# Altium PCB Misko 3 1.0.PcbDoc (part 4 of 4) (continued)
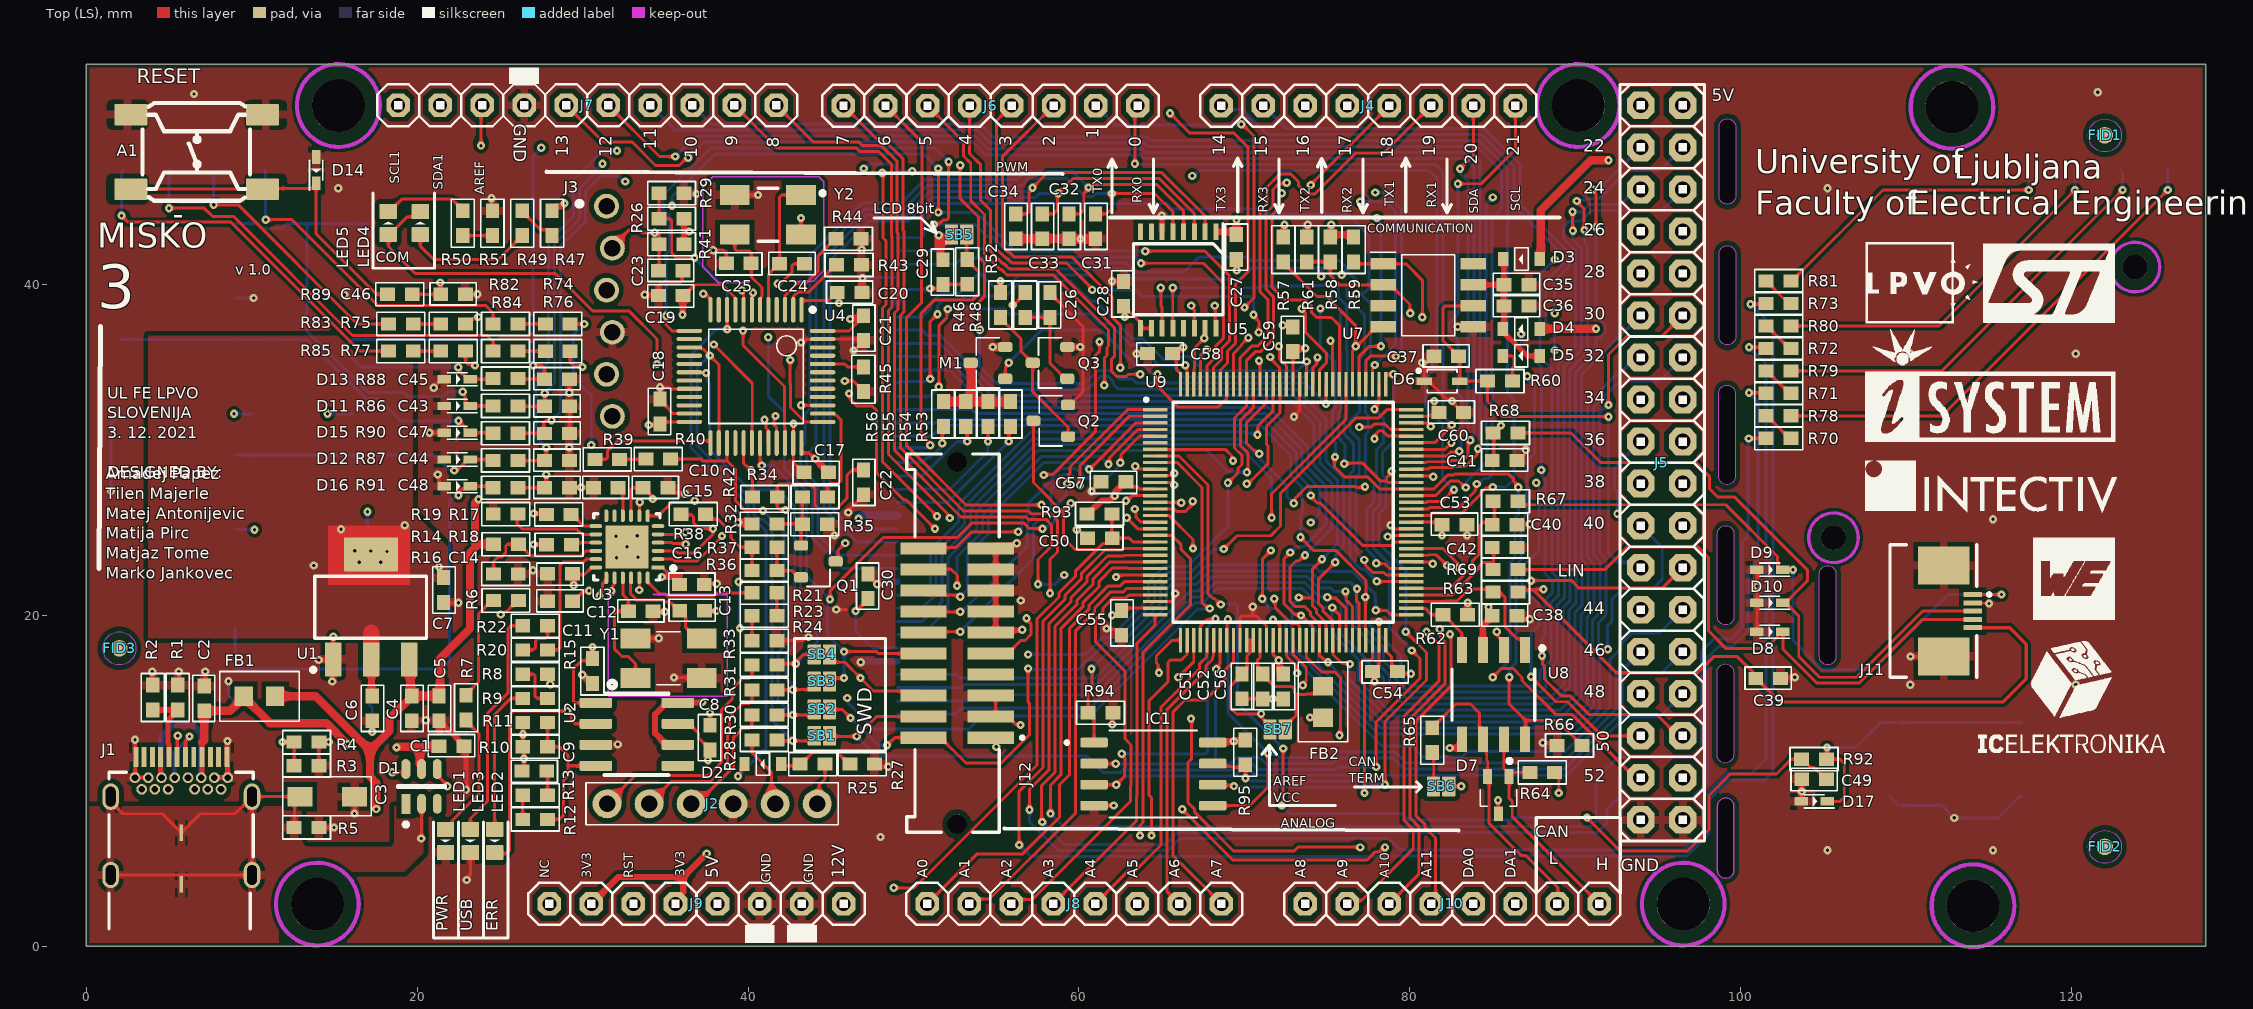
[diagram p0: Top (LS) view]
## Nets (pads, with @x,y where several pads share a name; then routed paths per layer and width w, separated by ;. In a path a pad name is that pad's centre, name@x,y a point inside that pad or via, vN(x,y) a via of type N, cw(c..) or ccw(c..) an arc to the next point about the centre after c; other vN are vias at no path point) (continued)
TRACE.TR1: J12.16 U9.3 | length 20.6
  Top (LS) w0.18: J12.16@50.6,21.49 50.88,21.21 52.628,21.21 52.731,21.107 v1(52.818,21.107) ; v1(60.611,28.826) 60.649,28.826 63.446,31.623 U9.3@64.598,31.623
  Bottom (HS) w0.18: v1(52.818,21.107) 53.268,21.557 53.268,23.644 54.524,24.9 54.524,25.882 57.333,28.691 57.864,29.222 60.215,29.222 v1(60.611,28.826)
TRACE.TR2: J12.18 U9.4 | length 20.9
  Top (LS) w0.18: J12.18@50.6,22.76 50.618,22.778 52.268,22.778 52.653,22.392 52.653,21.803 v1(52.632,21.782) ; v1(61.789,29.115) 61.85,29.176 61.85,29.518 63.555,31.223 U9.4@64.598,31.223
  Bottom (HS) w0.18: v1(52.632,21.782) 52.632,23.517 54.164,25.049 54.164,26.031 57.715,29.582 61.321,29.582 v1(61.789,29.115)
TRACE.TR3: J12.20 U9.5 | length 18.4
  Top (LS) w0.18: J12.20@50.6,24.03 50.647,24.077 52.535,24.077 53.499,25.042 v1(56.334,25.042) ; v1(62.49,29.212) 62.551,29.273 62.551,29.71 63.664,30.823 U9.5@64.598,30.823
  Bottom (HS) w0.18: v1(56.334,25.042) 56.334,25.128 56.54,25.335 56.54,25.752 56.935,26.147 56.935,26.766 58.413,28.244 58.413,28.351 58.923,28.862 59.811,28.862 60.273,28.401 60.279,28.401 60.393,28.286 61.724,28.286 62.329,28.891 62.329,28.964 62.49,29.125 v1(62.49,29.212)
UART4_RX: J4.5 U9.101 | length 19
  Top (LS) w0.18: U9.101@76.936,33.961 76.936,35.647 77.538,36.25 v1(78.25,36.25)
  Mid 1 (LS) w0.18: J4.5@76.211,50.8 76.211,48.872 78.45,46.633 78.45,44.45 v1(78,44)
  Bottom (HS) w0.18: v1(78,44) 78,43.913 78.25,43.663 v1(78.25,36.25)
UART4_TX: J4.6 U9.100 | length 21.4
  Top (LS) w0.18: U9.100@77.336,33.961 77.336,35.374 77.615,35.654 77.648,35.654 77.655,35.66 78.102,35.66 78.108,35.654 79.143,35.654 v1(79.162,35.634)
  Mid 1 (LS) w0.18: J4.6@73.671,50.8 73.671,49.846 77.91,45.607 v1(77.91,45.55)
  Bottom (HS) w0.18: v1(77.91,45.55) 78.473,45.55 79.487,44.535 79.487,36.044 79.162,35.719 v1(79.162,35.634)
USART1_RX: J6.1 U9.91 | length 40.8
  Top (LS) w0.18: v1(63.379,47.286) 63.379,50.633 J6.1@63.546,50.8 ; U9.91@80.074,30.423 81.503,30.423 82.522,31.442 v1(82.522,31.496)
  Bottom (HS) w0.18: v1(63.379,47.286) 63.426,47.24 81.529,47.24 81.997,46.771 81.997,35.319 82.01,35.306 82.01,32.039 82.522,31.527 v1(82.522,31.496)
USART1_TX: J6.2 U9.107 | length 29.9
  Top (LS) w0.18: v1(69.809,49.675) 69.86,49.675 70.577,48.958 70.577,39.172 v1(70,38.595) ; v1(73.469,38.515) 73.469,38.428 73.69,38.207 73.69,37.105 74.959,35.836 74.959,35.252 74.546,34.838 74.546,33.971 U9.107@74.536,33.961
  Mid 1 (LS) w0.18: v1(70,38.595) 70.061,38.657 70.281,38.657 70.326,38.702 73.195,38.702 73.382,38.515 v1(73.469,38.515)
  Bottom (HS) w0.18: J6.2@61.006,50.8 62.18,49.626 69.761,49.626 v1(69.809,49.675)
USART2_RX: J4.3 U9.119 | length 26.3
  Top (LS) w0.18: U9.119@69.736,33.961 69.736,35.556 70.463,36.283 70.826,36.283 71.409,36.867 71.409,39.072 70.937,39.545 70.937,44.455 71.36,44.878 71.36,45.873 72.159,46.672 72.785,46.672 73.281,46.176 73.281,45.956 73.776,45.46 74.248,45.46 76.706,47.919 78.41,47.919 J4.3@81.291,50.8
USART3_RX: U4.12 U9.123 | length 55.6
  Top (LS) w0.18: v1(37.297,39.43) 37.358,39.369 37.451,39.369 37.731,39.088 U4.12@37.731,38.457 ; v1(51.5,44.343) v1(51.5,47) ; v1(64,42) 67.612,42 69.1,40.512 69.1,36.59 68.616,36.106 68.616,35.449 68.136,34.969 U9.123@68.136,33.961
  Mid 1 (LS) w0.18: v1(35.406,44.748) 35.345,44.686 35.168,44.686 33.815,43.334 33.815,42.886 37.271,39.43 v1(37.297,39.43)
  Bottom (HS) w0.18: v1(35.406,44.748) 35.406,45.282 37.989,47.865 50.635,47.865 v1(51.5,47) ; v1(51.5,44.343) 53.794,44.343 56.138,42 v1(64,42)
USART3_TX: U4.13 U9.124 | length 58.3
  Top (LS) w0.18: v1(35.045,38.093) 35.045,37.548 35.411,37.182 U4.13@36.456,37.182 ; v1(51.238,43.613) 51.3,43.675 51.578,43.675 51.707,43.803 51.793,43.89 51.81,43.89 52.015,43.89 52.12,43.995 v1(52.12,47.4) ; v1(63.75,41.27) 67.519,41.27 68.74,40.049 68.74,36.739 68.256,36.255 68.256,35.598 67.736,35.078 U9.124@67.736,33.961
  Bottom (HS) w0.18: v1(35.045,38.093) 35.045,41.863 35.255,42.073 35.255,44.135 34.866,44.524 34.866,45.367 37.739,48.24 51.28,48.24 v1(52.12,47.4) ; v1(51.238,43.613) 53.713,43.613 54.436,42.89 54.739,42.89 55.989,41.64 63.38,41.64 v1(63.75,41.27)
USART5_RX: J4.7 R59.2 U7.1 U9.112 | length 55.8
  Top (LS) w0.18: v1(72.075,36.26) 72.104,36.232 72.104,35.486 72.536,35.054 U9.112@72.536,33.961 ; R59.2@76.597,41.347 76.709,41.234 U7.1@78.379,41.234 79.766,41.234 80.75,40.25 v1(80.75,38)
  Mid 1 (LS) w0.18: v1(72.075,36.26) 72.945,37.13 76.791,37.13 76.991,37.33 80.75,37.33 ; v1(80.75,38) 80.75,37.48 80.75,37.33 ; v1(88.75,38.25) 86.96,36.46 86.117,36.46 85.693,36.884 82.674,36.884 82.418,37.14 80.94,37.14 80.75,37.33
  Bottom (HS) w0.18: J4.7@71.131,50.8 72.531,49.4 84.496,49.4 86.65,47.246 86.65,44.873 89.65,41.873 89.65,41.127 88.75,40.227 v1(88.75,38.25)
USART5_TX: J4.8 R57.2 U7.4 U9.102 | length 56.6
  Top (LS) w0.18: R57.2@72.347,41.347 72.347,41.297 74.385,39.259 74.958,39.259 76.719,37.497 76.719,36.281 v1@76.75,36.25 ; U9.102@76.536,33.961 76.536,35.98 76.719,36.163 v1(76.719,36.25) v1@76.75,36.25 ; U7.4@78.379,37.424 77.954,37.424 76.78,36.25 v1@76.75,36.25
  Mid 1 (LS) w0.18: v1(76.719,36.25) 77.259,36.79 82.273,36.79 82.529,36.534 85.548,36.534 86.082,36 v1(88.75,36)
  Bottom (HS) w0.18: J4.8@68.591,50.8 68.831,50.56 69.894,50.56 71.414,49.04 84.346,49.04 86.29,47.097 86.29,44.724 89.29,41.724 89.29,41.276 88.21,40.196 88.21,37.706 88.75,37.165 v1(88.75,36)
USB2_N: U3.4 U9.92 | length 50.1
  Top (LS) w0.18: U3.4@34.557,24.382 34.568,24.394 34.871,24.394 34.876,24.399 35.38,24.399 35.454,24.326 36.209,24.326 v1(36.24,24.296) ; v1(77.863,30.668) 77.801,30.729 77.801,30.815 78.134,31.148 78.336,31.148 78.66,30.823 U9.92@80.074,30.823
  Mid 3 (P/HS) w0.18: v1(36.24,24.296) 36.301,24.357 36.465,24.357 36.505,24.397 37.31,24.397 38.918,22.79 57.274,22.79 58.044,23.56 64.296,23.56 66.042,25.306 69.403,25.306 74.804,30.707 77.824,30.707 v1(77.863,30.668)
USB2_P: U3.5 U9.93 | length 49.7
  Top (LS) w0.18: U3.5@34.557,24.882 34.568,24.871 34.871,24.871 34.876,24.866 35.574,24.866 35.647,24.792 35.961,24.792 v1@36.051,24.882 ; v1(76.933,31.368) 77.67,31.368 77.85,31.548 78.501,31.548 78.826,31.223 U9.93@80.074,31.223
  Mid 3 (P/HS) w0.18: v1(36.195,25.019) 36.256,24.958 36.42,24.958 36.46,24.917 37.526,24.917 39.133,23.31 57.059,23.31 57.828,24.08 64.081,24.08 65.827,25.826 69.187,25.826 74.588,31.227 76.705,31.227 76.846,31.368 v1(76.933,31.368)
USB_N: D1.6 J1.A7 J1.B7 U3.19 | length 39.1
  Top (LS) w0.18: v1(18.5,10.5) 19.154,10.5 19.319,10.664 D1.6@19.319,10.703 ; v1(31.02,21.18) 31.02,21.266 31.21,21.457 31.21,21.915 31.39,22.095 31.39,22.178 31.431,22.219 U3.19@31.431,22.257
  Top (LS) w0.22: J1.A7@6.002,11.454 6.002,12.36 6.238,12.596 v1(6.238,12.672)
  Mid 3 (P/HS) w0.18: J1.B7@5.336,10.188 5.336,10.293 5.51,10.467 5.51,10.974 5.974,11.438 13.195,11.438 14.5,10.133 18.622,10.133 ; v1(18.5,10.5) 18.561,10.439 18.561,10.194 18.622,10.133 ; v1(31.02,21.18) 30.992,21.152 30.992,20.832 28.898,18.739 21.193,11.034 21.193,10.168 21.159,10.133 18.622,10.133
  Bottom (HS) w0.22: J1.B7@5.336,10.188 5.336,11.723 6.238,12.625 v1(6.238,12.672)
USB_P: D1.4 J1.A6 J1.B6 U3.20 | length 39.3
  Top (LS) w0.18: D1.4@21.219,10.703 21.219,10.317 21.819,9.717 v1(21.819,9.664) ; v1@31.844,21.565 31.844,21.578 31.811,21.611 31.811,21.751 31.931,21.871 U3.20@31.931,22.257
  Top (LS) w0.22: J1.A6@5.5,11.43 5.502,11.432 5.502,12.65 5.487,12.666 v1(5.54,12.719)
  Mid 1 (LS) w0.16: v1(5.54,12.719) 5.54,10.846 6.136,10.25 J1.B6@6.136,10.188
  Mid 3 (P/HS) w0.18: J1.B6@6.136,10.188 6.136,10.321 5.99,10.467 5.99,10.775 6.173,10.958 12.996,10.958 14.301,9.653 18.622,9.653 21.368,9.653 ; v1(21.819,9.664) 21.808,9.653 21.368,9.653 ; v1(31.75,21.463) 31.689,21.402 31.689,21.233 31.653,21.198 31.653,20.717 31.549,20.613 31.549,20.601 29.129,18.182 21.681,10.734 21.681,9.966 21.368,9.653
USB_RENUM_5: R34.2 U4.38 | length 6.6
  Top (LS) w0.18: U4.38@44.506,32.182 45.175,32.182 45.26,32.097 45.328,32.097 45.61,31.816 45.61,28.126 45.44,27.956 44.941,27.956 44.798,27.812 R34.2@44.798,27.142
USB_STLINK_N: U3.2 U4.32 | length 14.2
  Top (LS) w0.18: U3.2@34.557,23.382 34.567,23.392 35.452,23.392 35.569,23.276 36.944,23.276 38.427,24.758 v1(38.427,24.786) ; v1(40.995,31.817) 41.056,31.755 41.056,31.573 41.078,31.551 41.078,31.318 41.218,31.178 41.218,30.421 U4.32@41.231,30.407
  Mid 3 (P/HS) w0.18: v1@38.434,24.793 38.434,29.256 v1(40.995,31.817)
USB_STLINK_P: R38.1 U3.3 U4.33 | length 17.2
  Top (LS) w0.18: U3.3@34.557,23.882 34.567,23.872 35.651,23.872 35.768,23.756 36.746,23.756 37.876,24.886 v1(37.877,25.226) v1(37.877,25.226) 37.06,25.226 36.699,25.588 36.699,25.943 36.566,26.076 35.97,26.076 R38.1@35.939,26.108 ; v1(41.66,32.037) 41.598,31.976 41.598,31.812 41.558,31.771 41.558,31.517 41.718,31.357 41.718,31.069 U4.33@41.731,31.055
  Mid 3 (P/HS) w0.18: v1(37.877,25.226) 37.877,29.487 40.764,32.374 41.261,32.374 41.598,32.037 v1(41.66,32.037)
V_BUS: C1.2 C2.2 D1.5 FB1.1 J1.A4 J1.A9 J1.B4 J1.B9 | length 30.8
  Top (LS) w0.25: J1.B4@6.95,10.18 J1.B4@7,10.23
  Top (LS) w0.3: J1.A4@4.5,11.43 4.5,10.23 J1.B9@4.55,10.18 ; J1.B4@7,10.23 7,12.316
  Top (LS) w0.5: 7,12.316 7.129,12.446 C2.2@7.129,14.223 8.691,14.223 FB1.1@9.518,15.05 ; FB1.1@9.518,15.1 FB1.1@9.518,15.05 ; v1(15.795,12.195) 14.518,13.473 11.096,13.473 FB1.1@9.518,15.05 ; v1(18.75,12) 18.8,12.05 20.161,12.05 ; D1.5@20.269,10.703 20.269,10.883 20.161,10.991 20.161,12.05 ; C1.2@21.459,12.05 20.161,12.05
  Mid 3 (P/HS) w0.5: v1(15.795,12.195) 18.555,12.195 v1(18.75,12)
  Bottom (HS) w0.381: J1.B9@4.536,10.188 4.536,12.674 5.221,13.359 6.457,13.359 6.936,12.88 J1.B4@6.936,10.188
VBAT_8: C35.2 C36.2 D3.1 D4.1 D5.2 U7.7 | length 9.4
  Top (LS) w0.3: U7.7@83.829,39.964 C35.2@85.67,39.964 ; C36.2@85.67,38.522 85.67,38.694 C35.2@85.67,39.964 ; C36.2@85.69,38.694 85.69,38.522 85.69,37.296 85.615,37.221 85.78,37.056 85.78,36.971 87.08,35.671 D5.2@87.845,35.671 ; D3.1@85.75,41.645 85.685,41.58 85.685,40.162 85.67,40.147 C35.2@85.67,39.964
XL_7: C32.2 U5.4 U6.12 | length 53
  Top (LS) w0.18: C32.2@59.391,44.25 60.061,44.25 60.288,44.476 60.288,45.476 60.531,45.719 v1@60.531,45.806 ; v1(60.575,45.85) 60.662,45.85 60.842,46.03 62.854,46.03 62.857,46.026 64.706,46.026 66.325,44.407 U5.4@66.325,43.168
  Bottom (HS) w0.18: U6.12@49.022,22.823 45.737,22.823 43.88,24.68 43.88,27.688 43.16,28.408 43.16,30.143 43.45,30.433 43.45,32.169 43.74,32.459 43.74,41.747 46.892,44.9 49.256,44.9 50.685,46.329 56.233,46.329 56.729,46.825 59.6,46.825 v1(60.575,45.85)
XR_7: C34.2 U5.2 U6.14 | length 50.1
  Top (LS) w0.18: C34.2@56.174,44.25 56.844,44.25 56.988,44.394 56.988,45.548 57.194,45.753 v1(57.194,45.84) ; v1@57.189,45.84 58.099,46.75 63.152,46.75 63.156,46.746 65.004,46.746 67.625,44.125 U5.2@67.625,43.168
  Bottom (HS) w0.18: U6.14@49.022,24.423 46.573,24.423 44.6,26.396 44.6,41.589 47.191,44.18 49.555,44.18 50.984,45.609 56.876,45.609 57.107,45.84 v1(57.194,45.84)
YD_7: C33.2 U5.3 U6.15 | length 47.6
  Top (LS) w0.18: C33.2@57.783,44.25 58.453,44.25 58.701,44.499 58.701,45.451 59.64,46.39 63.003,46.39 63.007,46.386 64.855,46.386 66.975,44.266 U5.3@66.975,43.168
  Bottom (HS) w0.18: U6.15@49.022,25.223 46.416,25.223 46.239,25.4 46.105,25.4 44.96,26.545 44.96,41.44 47.34,43.82 49.704,43.82 51.133,45.249 57.367,45.249 57.618,45.5 v1(58.75,45.5)
YU_7: C31.2 U5.5 U6.13 | length 50.4
  Top (LS) w0.18: C31.2@61,44.25 61.67,44.25 61.972,44.552 v1(61.972,45.49) 64.566,45.49 65.675,44.381 U5.5@65.675,43.168
  Bottom (HS) w0.18: U6.13@49.022,23.623 45.447,23.623 44.24,24.83 44.24,27.837 43.52,28.557 43.52,29.688 44.1,30.268 44.1,41.598 47.042,44.54 49.405,44.54 50.835,45.969 56.554,45.969 56.965,46.38 59.275,46.38 60.06,45.595 60.345,45.31 60.847,45.31 61.027,45.49 v1(61.972,45.49)
pads on no net: D1.1 D1.3 FID1.F FID2.F FID3.F J1.A2 J1.A3 J1.A8 J1.A10 J1.A11 J1.B2 J1.B3 J1.B8 J1.B10 J1.B11 J3.1 J9.1 J12. J12.7 J12.8 U2.5 U3.6 U3.11 U3.12 U4.4 U4.11 U4.14 U4.16 U4.17 U4.19 U4.21 U4.22 U4.28 U4.40 U4.41 U4.42 U4.43 U4.45 U4.46 U5.7 U5.8 U5.13 U7.3 U7.8 U9.6

## Polygon pours and split planes (outlines as drawn)
GND on Top (LS) "GND_L01_P047" (solid, remove dead copper, pour order 47): 0,53.176 128.1,53.176 128.1,-0.029 0,-0.123
SHLD on Top (LS) "SHLD_L01_P038" (solid, remove dead copper, pour order 38): 20.382,5.639 19.229,4.485 12.4,4.485 11.632,3.718 11.632,0 0,0 0,8.45 20.382,8.45
+3V3HUB on Top (LS) "+3V3HUB_L01_P037" (solid, pour order 37): 21.862,18.6 21.862,24.138 19.75,26.25 19.75,36.877 3.75,36.877 3.75,18.6
GND on Top (LS) "GND_L01_P035" (solid, pour order 35): 13.319,6.319 18.305,6.319 18.305,10.127 13.319,10.127
GND on Top (LS) "GND_L01_P034" (solid, pour order 34): 31.547,21.25 31.547,15.096 38.75,15.096 38.75,21.25 34.266,21.25 34.151,21.135 34.151,21.116 32.023,21.116 31.877,21.262 31.865,21.25
GND on Mid 4 (GND) "GND_L05_P041" (solid, remove dead copper, pour order 41): 0,53.218 0,0 128.1,0 128.1,53.3 0,53.3
SHLD on Mid 4 (GND) "SHLD_L05_P039" (solid, remove dead copper, pour order 39): 0,8.43 20.447,8.43 20.447,0 0,0
GND on Mid 3 (P/HS) "GND_L04_P045" (solid, remove dead copper, pour order 45): 0,53.3 128.127,53.3 128.127,0.094 0,0
+3V3 on Mid 3 (P/HS) "+3V3_L04_P042" (solid, remove dead copper, pour order 42): 44.887,47.389 92.5,47.389 92.55,4.5 28,4.5 28,47.389 31.2,47.389 31.9,47.389 32.624,47.389 36.943,47.389 36.966,47.366 44.887,47.366
+3V3HUB on Mid 3 (P/HS) "+3V3HUB_L04_P036" (solid, remove dead copper, pour order 36): 34.062,28.868 19.773,40.75 3.75,40.75 3.75,11.349 18.951,11.349 24.9,5.4 35.2,5.4 37.867,8.067 37.867,11.374 36.5,12.742 36.5,20.76 33.912,23.347
GND on Bottom (HS) "SS" (solid, remove dead copper, pour order 44): 0,53.3 128.127,53.3 128.127,0.094 0,0
+3V3HUB on Bottom (HS) "+3V3HUB_L06_P043" (solid, pour order 43): 3.75,29.6 21.862,29.6 21.862,17 3.75,17
GND on Mid 1 (LS) "GND_L02_P048" (solid, remove dead copper, pour order 48): 0,53.3 128.127,53.3 128.127,0.094 0,0
+3V3HUB on Mid 1 (LS) "+3V3HUB_L02_P046" (solid, pour order 46): 3.75,37.252 21.862,37.252 21.862,18.6 3.75,18.6
GND on Mid 2 (GND) "GND_L03_P040" (solid, remove dead copper, pour order 40): 0,53.3 0,0 127.818,0 128.1,0.282 128.1,53.3 0,53.3

## Keep-outs
Top (LS):
  circle w0.254: c13.97,2.54 r2.5
  circle w0.2: c105.6,24.68 r1.5
  circle w0.2: c123.82,41.04 r1.5
  circle w0.254: c112.76,50.7 r2.5
  circle w0.254: c114.03,2.44 r2.5
  circle w0.254: c96.52,2.54 r2.5
  circle w0.254: c90.17,50.8 r2.5
  circle w0.254: c15.24,50.8 r2.5
  lines w0.1: 31.547,20.975 31.547,15.096 ; 31.882,21.25 31.547,21.25 31.547,15.096 ; 40.057,40.101 38.203,40.101 37.253,41.051 37.253,45.894 37.859,46.5 44.274,46.5 44.577,46.197 44.577,42.888 44.577,41.051 44.577,40.832 43.917,40.172 41.896,40.172 ; 31.547,15.096 31.547,20.97 31.547,15.096 ; 31.547,15.096 38.75,15.096 ; 31.547,15.096 38.75,15.096 ; 31.547,15.096 38.75,15.096 ; 31.547,15.096 38.75,15.096 ; 34.266,21.25 38.75,21.25 ; 34.266,21.25 38.75,21.25 ; 34.266,21.25 38.75,21.25 ; 34.266,21.25 38.75,21.25 ; 38.75,15.096 38.75,20.634 ; 38.75,15.096 38.75,20.634 ; 38.75,15.096 38.75,20.634 ; 38.75,15.096 38.75,20.634 ; 38.75,20.634 38.75,21.25 ; 38.75,20.634 38.75,21.25 ; 38.75,20.634 38.75,21.25 ; 38.75,20.634 38.75,21.25
Mid 1 (LS):
  lines w0.1: 31.882,21.25 31.682,21.05 31.547,21.05 31.547,15.096 38.75,15.096 38.75,20.634 38.75,21.25 34.884,21.25 ; 40.057,40.101 38.203,40.101 37.253,41.051 37.253,45.894 37.717,46.358 44.416,46.358 44.577,46.197 44.577,42.888 44.577,41.051 44.577,40.832 43.917,40.172 41.896,40.172
Mid 2 (GND):
  lines w0.1: 40.057,40.101 38.203,40.101 37.253,41.051 37.253,45.894 37.859,46.5 44.274,46.5 44.577,46.197 44.577,42.888 44.577,41.051 44.577,40.832 43.917,40.172 41.896,40.172 ; 31.547,15.096 31.547,21.25 ; 31.547,15.096 38.75,15.096 ; 31.547,15.096 31.547,21.25 ; 31.547,15.096 38.75,15.096 ; 31.547,15.096 38.75,15.096 ; 31.547,15.096 31.547,21.25 ; 31.547,15.096 31.547,21.25 ; 31.547,15.096 38.75,15.096 ; 31.547,21.25 31.882,21.25 ; 31.547,21.25 31.882,21.25 ; 31.547,21.25 31.882,21.25 ; 31.547,21.25 31.882,21.25 ; 34.266,21.25 38.75,21.25 ; 34.266,21.25 38.75,21.25 ; 34.266,21.25 38.75,21.25 ; 34.266,21.25 38.75,21.25 ; 38.75,15.096 38.75,20.634 ; 38.75,15.096 38.75,20.634 ; 38.75,15.096 38.75,20.634 ; 38.75,15.096 38.75,20.634 ; 38.75,20.634 38.75,21.25 ; 38.75,20.634 38.75,21.25 ; 38.75,20.634 38.75,21.25 ; 38.75,20.634 38.75,21.25
Bottom (HS):
  circle w0.254: c112.76,50.7 r2.5
  circle w0.254: c114.03,2.44 r2.5
  circle w0.254: c96.52,2.54 r2.5
  circle w0.254: c90.17,50.8 r2.5
  circle w0.254: c15.24,50.8 r2.5

## Other copper
Top (LS):
  rectangle net +3V3HUB: 14.605,21.819 19.558,25.432

## Silkscreen, mask and mechanical layers (free items; w line width, h text height)
Top Overlay:
  drawing of 114 lines, arcs and shapes, not listed
  text "RESET" at 3.044,51.842 h1.5
  text "5V" at 98.25,50.789 h1.3
  text "GND" at 25.557,49.691 h1.3 r270
  text "1" at 61.453,48.78 h1.3 r90
  text "4" at 53.793,48.409 h1.3 r90
  text "7" at 46.376,48.361 h1.3 r90
  text "3" at 56.205,48.354 h1.3 r90
  text "9" at 39.657,48.348 h1.3 r90
  text "6" at 48.897,48.348 h1.3 r90
  text "5" at 51.382,48.35 h1.3 r90
  text "2" at 58.836,48.33 h1.3 r90
  text "8" at 42.157,48.258 h1.3 r90
  text "0" at 64.048,48.271 h1.3 r90
  text "11" at 34.723,48.136 h1.3 r90
  text "14" at 69.107,47.765 h1.3 r90
  text "21" at 86.887,47.727 h1.3 r90
  text "22" at 90.483,47.728 h1.3
  text "13" at 29.406,47.71 h1.3 r90
  text "15" at 71.647,47.704 h1.3 r90
  text "16" at 74.187,47.704 h1.3 r90
  text "17" at 76.727,47.717 h1.3 r90
  text "19" at 81.807,47.705 h1.3 r90
  text "12" at 32.029,47.687 h1.3 r90
  text "10" at 37.19,47.627 h1.3 r90
  text "18" at 79.267,47.614 h1.3 r90
  text "20" at 84.347,47.217 h1.3 r90
  text "PWM" at 55.004,46.584 h1
  text "SCL1" at 19.13,46.084 h1 r90
  text "Ljubljana" at 112.863,45.893 h2.5
  text "SDA1" at 21.745,45.717 h1 r90
  text "TX0" at 61.605,45.5 h1 r90
  text "AREF" at 24.277,45.418 h1 r90
  text "24" at 90.483,45.188 h1.3
  text "RX0" at 64,44.889 h1 r90
  text "TX1" at 79.25,44.706 h1 r90
  text "RX1" at 81.79,44.638 h1 r90
  text "SCL" at 86.87,44.427 h1 r90
  text "TX3" at 69.09,44.378 h1 r90
  text "TX2" at 74.17,44.361 h1 r90
  text "RX3" at 71.63,44.31 h1 r90
  text "RX2" at 76.71,44.292 h1 r90
  text "SDA" at 84.319,44.25 h0.9 r90
  text "LCD 8bit" at 47.561,44.047 h1.1
  text "University of  / Faculty of" at 100.864,43.721 h2.5
  text "Electrical Engineering" at 110.175,43.714 h2.5
  text "-" at 5.242,43.152 h2.3
  text "COMMUNICATION" at 77.426,42.926 h0.9
  text "26" at 90.495,42.661 h1.3
  text "MISKO" at 0.654,41.69 h2.55
  text "COM" at 17.5,41.11 h1.1
  text "v 1.0" at 8.999,40.362 h1.1
  text "28" at 90.495,40.121 h1.3
  text "3" at 0.654,37.667 h4.5
  text "30" at 90.496,37.581 h1.3
  text "32" at 90.49,35.035 h1.3
  text "34" at 90.496,32.492 h1.3
  text "36" at 90.503,29.967 h1.3
  text "UL FE LPVO / SLOVENIJA / 3. 12. 2021 /  / DESIGNED BY:" at 1.269,28.051 h1.2
  text "38" at 90.503,27.427 h1.3
  text "40" at 90.471,24.919 h1.3
  text "LIN" at 88.94,22.056 h1.3
  text "Amadej Papez / Tilen Majerle / Matej Antonijevic / Matija Pirc / Matjaz Tome / Marko Jankovec" at 1.189,21.97 h1.2
  text "44" at 90.49,19.795 h1.3
  text "46" at 90.496,17.252 h1.3
  text "48" at 90.503,14.727 h1.3
  text "SWD" at 47.782,12.75 h1.5 r90
  text "50" at 92.311,11.728 h1.3 r90
  text "CAN  / TERM" at 76.313,9.65 h1
  text "52" at 90.503,9.647 h1.3
  text "AREF / VCC" at 71.75,8.487 h1
  text "ANALOG" at 72.206,6.932 h1
  text "CAN" at 87.578,6.331 h1.2
  text "H" at 92.018,5.61 h1.3 r180
  text "L" at 88.393,4.678 h1.3
  text "GND" at 92.75,4.25 h1.3
  text "3V3" at 36.4,4.2 h1 r90
  text "NC" at 28.196,4.1 h1 r90
  text "3V3" at 30.737,4.1 h1 r90
  text "RST" at 33.276,4.1 h1 r90
  text "5V" at 38.463,4.1 h1.3 r90
  text "12V" at 46.083,4.1 h1.3 r90
  text "A0" at 51.073,4.093 h1.1 r90
  text "A1" at 53.613,4.093 h1.1 r90
  text "A2" at 56.153,4.093 h1.1 r90
  text "A3" at 58.693,4.093 h1.1 r90
  text "A4" at 61.226,4.1 h1.1 r90
  text "A5" at 63.766,4.1 h1.1 r90
  text "A6" at 66.306,4.1 h1.1 r90
  text "A7" at 68.846,4.1 h1.1 r90
  text "A8" at 73.904,4.1 h1.1 r90
  text "A9" at 76.444,4.1 h1.1 r90
  text "A10" at 78.948,4.1 h1 r90
  text "A11" at 81.524,4.1 h1.1 r90
  text "DA0" at 84.064,4.1 h1.1 r90
  text "DA1" at 86.604,4.1 h1.1 r90
  text "GND" at 41.597,3.824 h1 r90
  text "GND" at 44.137,3.824 h1 r90
  text "PWR" at 22.082,0.903 h1.2 r90
  text "USB" at 23.587,0.904 h1.2 r90
  text "ERR" at 25.116,0.885 h1.2 r90
Bottom Overlay:
  lines w0.2: 50.632,43.613 51.806,43.613 51.806,13.201 46.38,13.201 46.38,43.613 51.238,43.613
  text "0" at 2.889,51.4 h2
  text "1" at 5.4,51.4 h2
  text "2" at 8.545,51.4 h2
  text "3" at 11.372,51.4 h2
  text "4" at 118.017,51.4 h2
  text "5" at 120.845,51.4 h2
  text "6" at 123.672,51.4 h2
  text "7" at 126.5,51.4 h2
  text "-" at 20.889,47.356 h2.3
  text "-" at 109.202,47.335 h2.3
  text "MISKO" at 27.403,45.287 h3.5
  text "MISKO" at 115.716,45.266 h3.5
  text "37" at 49.45,44.074 h1
  text "3" at 27.822,40.805 h5
  text "3" at 104.43,40.748 h5
  text "LCD" at 67.631,26.381 h3.5
  text "OK" at 15,11.803 h2.3
  text "1" at 49.087,11.754 h1
  text "ESC" at 116.195,5.817 h2.3
Board:
  the board outline again, w0.25
Route Tool Path:
  lines w1: 99.06,11.557 99.06,16.557 ; 99.085,3.454 99.085,8.454 ; 99.085,19.914 99.085,24.914 ; 99.162,28.397 99.162,33.397 ; 99.187,36.83 99.187,41.83 ; 99.187,45.339 99.187,49.5 ; 105.25,17.5 105.25,22.5
Pleksi nosilec (Mech9):
  circle w0.2: c86.366,2.554 r0.7
  circle w0.2: c78.746,2.554 r0.7
  circle w0.2: c91.446,2.554 r0.7
  circle w0.2: c88.906,2.554 r0.7
  circle w0.2: c53.386,50.8 r0.7
  circle w0.2: c50.846,50.8 r0.7
  circle w0.2: c31.554,50.82 r0.7
  circle w0.2: c34.094,50.82 r0.7
  circle w0.2: c36.634,50.82 r0.7
  circle w0.2: c48.306,50.8 r0.7
  circle w0.2: c39.174,50.82 r0.7
  circle w0.2: c41.714,50.82 r0.7
  circle w0.2: c45.766,50.8 r0.7
  circle w0.2: c63.546,50.8 r0.7
  circle w0.2: c73.671,50.8 r0.7
  circle w0.2: c55.926,50.8 r0.7
  circle w0.2: c71.131,50.8 r0.7
  circle w0.2: c58.466,50.8 r0.7
  circle w0.2: c68.591,50.8 r0.7
  circle w0.2: c61.006,50.8 r0.7
  circle w0.2: c76.211,50.8 r0.7
  circle w0.2: c78.751,50.8 r0.7
  circle w0.2: c81.291,50.8 r0.7
  circle w0.2: c83.831,50.8 r0.7
  circle w0.2: c93.952,17.793 r0.7
  circle w0.2: c96.492,17.793 r0.7
  circle w0.2: c93.952,15.253 r0.7
  circle w0.2: c96.492,15.253 r0.7
  circle w0.2: c96.492,12.713 r0.7
  circle w0.2: c93.952,12.713 r0.7
  circle w0.2: c96.492,10.173 r0.7
  circle w0.2: c93.952,7.633 r0.7
  circle w0.2: c96.492,7.633 r0.7
  circle w0.2: c93.952,10.173 r0.7
  circle w0.2: c93.952,20.333 r0.7
  circle w0.2: c93.952,25.413 r0.7
  circle w0.2: c96.492,20.333 r0.7
  circle w0.2: c96.492,22.873 r0.7
  circle w0.2: c96.492,25.413 r0.7
  circle w0.2: c96.492,27.953 r0.7
  circle w0.2: c96.492,33.033 r0.7
  circle w0.2: c96.492,35.573 r0.7
  circle w0.2: c96.492,38.113 r0.7
  circle w0.2: c96.492,40.653 r0.7
  circle w0.2: c96.492,30.493 r0.7
  circle w0.2: c93.952,22.873 r0.7
  circle w0.2: c96.492,45.733 r0.7
  circle w0.2: c96.492,43.193 r0.7
  circle w0.2: c96.492,48.273 r0.7
  circle w0.2: c96.492,50.813 r0.7
  circle w0.2: c27.994,2.554 r0.7
  circle w0.2: c66.068,2.554 r0.7
  circle w0.2: c68.608,2.554 r0.7
  circle w0.2: c55.908,2.554 r0.7
  circle w0.2: c58.448,2.554 r0.7
  circle w0.2: c60.988,2.554 r0.7
  circle w0.2: c30.534,2.554 r0.7
  circle w0.2: c76.206,2.554 r0.7
  circle w0.2: c81.286,2.554 r0.7
  circle w0.2: c83.826,2.554 r0.7
  circle w0.2: c93.952,43.193 r0.7
  circle w0.2: c93.952,48.273 r0.7
  circle w0.2: c93.952,27.953 r0.7
  circle w0.2: c93.952,33.033 r0.7
  circle w0.2: c93.952,35.573 r0.7
  circle w0.2: c93.952,38.113 r0.7
  circle w0.2: c93.952,40.653 r0.7
  circle w0.2: c93.952,30.493 r0.7
  circle w0.2: c93.952,45.733 r0.7
  circle w0.2: c29.014,50.82 r0.7
  circle w0.2: c33.074,2.554 r0.7
  circle w0.2: c63.528,2.554 r0.7
  circle w0.2: c43.234,2.554 r0.7
  circle w0.2: c35.614,2.554 r0.7
  circle w0.2: c38.154,2.554 r0.7
  circle w0.2: c40.694,2.554 r0.7
  circle w0.2: c45.774,2.554 r0.7
  circle w0.2: c73.666,2.554 r0.7
  circle w0.2: c53.368,2.554 r0.7
  circle w0.2: c50.828,2.554 r0.7
  lines w0.2: 26.459,51.52 26.459,53.3 87.17,53.3 87.17,51.5 86.371,51.5 ccw(c86.371,50.8) 86.371,50.1 87.259,50.1 87.259,50.076 ccw(c90.17,50.8) 93.09,50.114 ; 26.46,51.52 cw(c26.474,50.82) 26.468,50.12 ; 26.464,50.12 26.464,0 93.52,0 ; 91.95,0 93.52,0 ; 93.096,50.137 93.096,50.113 93.952,50.113 ccw(c93.952,50.813) 93.952,51.513 93.17,51.513 93.17,53.3 99.187,53.3 99.187,5.54 ; 99.187,6.956 99.187,5.54 ; 93.52,0 93.52,2.54 cw(c96.52,2.54) 96.52,5.54 99.187,5.54 ; 30.149,5.595 30.149,49.457 45.037,49.457 45.037,46.973 55.926,46.973 55.926,5.595 45.037,5.595 30.149,5.595
Top Courtyard:
  lines w0.254: 27,3 105,3 105,51 27,51 27,3

## Dimensions
128.1,0 to 128.1,53.3 on Top Dimensions
0,0 to 128.1,0 on Top Dimensions

## Text inside footprints (layer, text, board x,y; h text height)
J1: Top 3D Body "PCB Edge" at 4.05,-0.1 h0.61